# KiCad board main-board-rev1.kicad_pcb (continued)
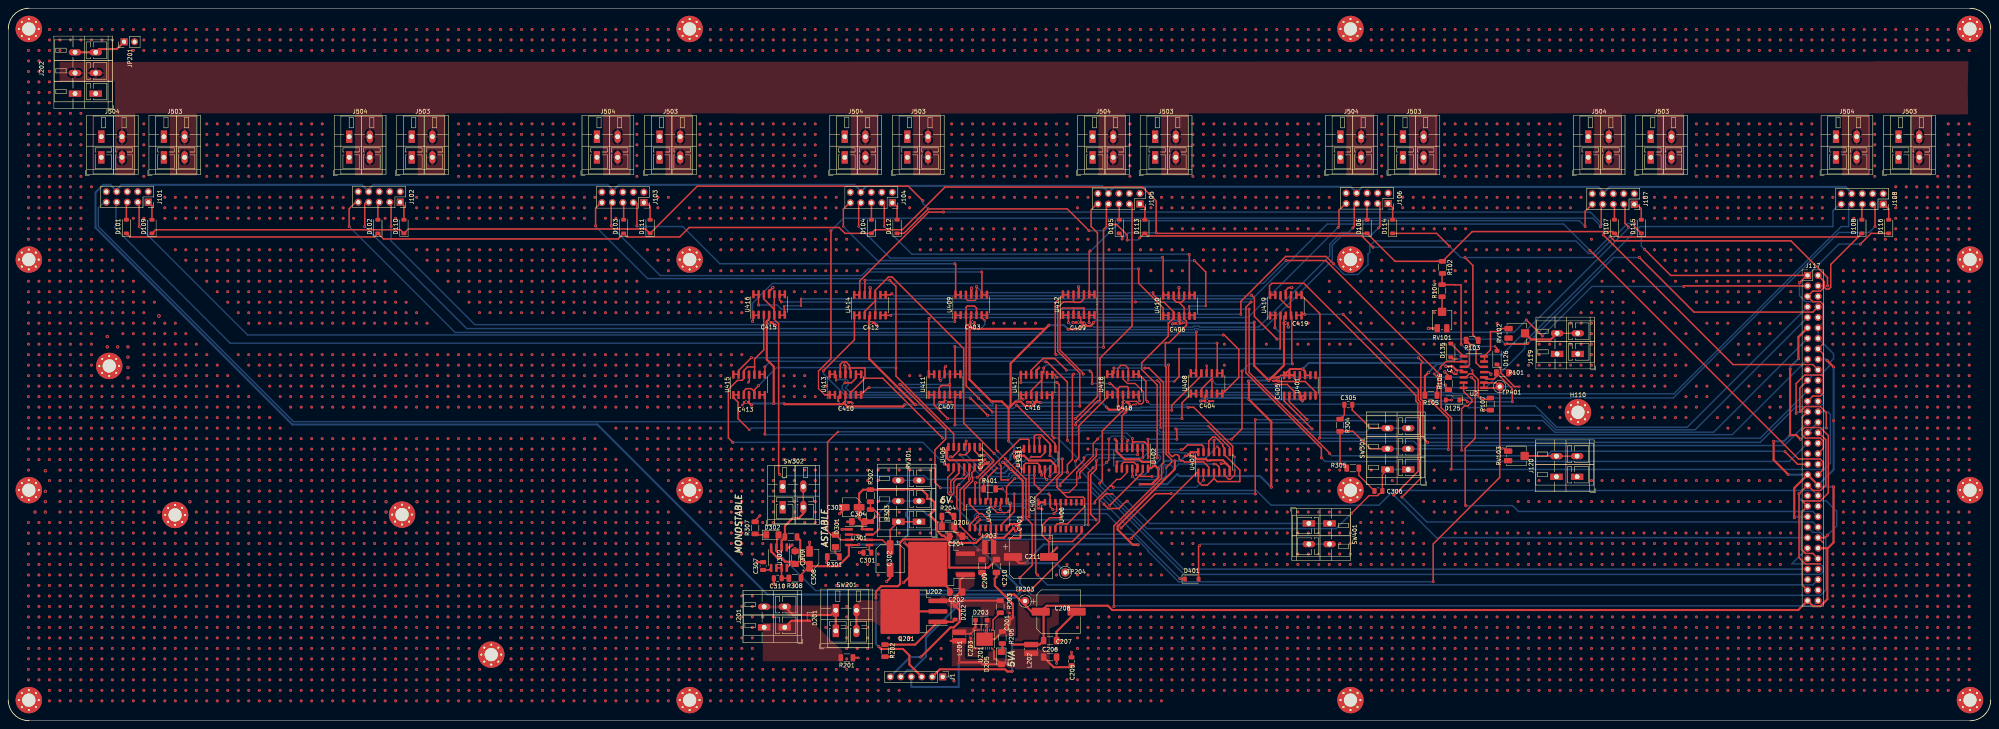
[diagram p0: board, top side]
## Routing (per net, layer and track width the routed paths; a pad name or vN(x,y) marks a point on that pad's centre or on a via; arc(x,y) is an arc through that point) (continued)
 v1(233.49,141.97) v1(233.49,139.43) v1(233.49,136.89) v1(233.49,134.35) v1(233.49,131.81) v1(233.49,126.73) v1(233.49,119.11) v1(233.49,116.57) v1(233.49,114.03) v1(233.49,9.89) v1(233.49,7.35) v1(233.49,4.81) v1(236.03,167.37) v1(236.03,164.83) v1(236.03,162.29) v1(236.03,144.51) v1(236.03,141.97) v1(236.03,139.43) v1(236.03,136.89) v1(236.03,134.35) v1(236.03,131.81) v1(236.03,126.73) v1(236.03,119.11) v1(236.03,116.57) v1(236.03,114.03) v1(236.03,32.75) v1(236.03,9.89) v1(236.03,7.35) v1(236.03,4.81) v1(238.57,167.37) v1(238.57,164.83) v1(238.57,162.29) v1(238.57,144.51) v1(238.57,141.97) v1(238.57,139.43) v1(238.57,136.89) v1(238.57,134.35) v1(238.57,131.81) v1(238.57,126.73) v1(238.57,119.11) v1(238.57,116.57) v1(238.57,114.03) v1(238.57,96.25) v1(238.57,9.89) v1(238.57,7.35) v1(238.57,4.81) v1(241.11,167.37) v1(241.11,164.83) v1(241.11,162.29) v1(241.11,144.51) v1(241.11,141.97) v1(241.11,139.43) v1(241.11,136.89) v1(241.11,134.35) v1(241.11,131.81) v1(241.11,126.73) v1(241.11,119.11) v1(241.11,116.57) v1(241.11,114.03) v1(241.11,96.25) v1(241.11,32.75) v1(241.11,9.89) v1(241.11,7.35) v1(241.11,4.81) v1(243.65,167.37) v1(243.65,164.83) v1(243.65,162.29) v1(243.65,144.51) v1(243.65,141.97) v1(243.65,139.43) v1(243.65,136.89) v1(243.65,134.35) v1(243.65,131.81) v1(243.65,126.73) v1(243.65,119.11) v1(243.65,116.57) v1(243.65,114.03) v1(243.65,96.25) v1(243.65,9.89) v1(243.65,7.35) v1(243.65,4.81) v1(246.19,167.37) v1(246.19,164.83) v1(246.19,162.29) v1(246.19,144.51) v1(246.19,141.97) v1(246.19,139.43) v1(246.19,136.89) v1(246.19,134.35) v1(246.19,131.81) v1(246.19,126.73) v1(246.19,119.11) v1(246.19,116.57) v1(246.19,114.03) v1(246.19,96.25) v1(246.19,9.89) v1(246.19,7.35) v1(246.19,4.81) v1(248.73,167.37) v1(248.73,164.83) v1(248.73,162.29) v1(248.73,144.51) v1(248.73,141.97) v1(248.73,139.43) v1(248.73,136.89) v1(248.73,134.35) v1(248.73,131.81) v1(248.73,126.73) v1(248.73,119.11) v1(248.73,116.57) v1(248.73,114.03) v1(248.73,96.25) v1(248.73,9.89) v1(248.73,7.35) v1(248.73,4.81) v1(251.27,167.37) v1(251.27,164.83) v1(251.27,162.29) v1(251.27,144.51) v1(251.27,141.97) v1(251.27,139.43) v1(251.27,136.89) v1(251.27,134.35) v1(251.27,131.81) v1(251.27,126.73) v1(251.27,119.11) v1(251.27,116.57) v1(251.27,114.03) v1(251.27,9.89) v1(251.27,7.35) v1(251.27,4.81) v1(253.81,167.37) v1(253.81,164.83) v1(253.81,162.29) v1(253.81,144.51) v1(253.81,141.97) v1(253.81,139.43) v1(253.81,136.89) v1(253.81,134.35) v1(253.81,131.81) v1(253.81,126.73) v1(253.81,119.11) v1(253.81,116.57) v1(253.81,114.03) v1(253.81,35.29) v1(253.81,17.51) v1(253.81,9.89) v1(253.81,7.35) v1(253.81,4.81) v1(256.35,167.37) v1(256.35,164.83) v1(256.35,162.29) v1(256.35,144.51) v1(256.35,141.97) v1(256.35,139.43) v1(256.35,136.89) v1(256.35,134.35) v1(256.35,131.81) v1(256.35,126.73) v1(256.35,119.11) v1(256.35,116.57) v1(256.35,114.03) v1(256.35,37.83) v1(256.35,9.89) v1(256.35,7.35) v1(256.35,4.81) v1(258.89,167.37) v1(258.89,164.83) v1(258.89,162.29) v1(258.89,126.73) v1(258.89,124.19) v1(258.89,119.11) v1(258.89,116.57) v1(258.89,114.03) v1(258.89,40.37) v1(258.89,37.83) v1(258.89,35.29) v1(258.89,22.59) v1(258.89,20.05) v1(258.89,17.51) v1(258.89,9.89) v1(258.89,7.35) v1(258.89,4.81) v1(261.43,167.37) v1(261.43,164.83) v1(261.43,162.29) v1(261.43,126.73) v1(261.43,116.57) v1(261.43,68.31) v1(261.43,65.77) v1(261.43,40.37) v1(261.43,37.83) v1(261.43,35.29) v1(261.43,22.59) v1(261.43,20.05) v1(261.43,17.51) v1(261.43,14.97) v1(261.43,12.43) v1(261.43,9.89) v1(261.43,7.35) v1(261.43,4.81) v1(263.97,167.37) v1(263.97,164.83) v1(263.97,162.29) v1(263.97,40.37) v1(263.97,37.83) v1(263.97,35.29) v1(263.97,25.13) v1(263.97,22.59) v1(263.97,20.05) v1(263.97,17.51) v1(263.97,14.97) v1(263.97,12.43) v1(263.97,9.89) v1(263.97,7.35) v1(263.97,4.81) v1(266.51,167.37) v1(266.51,164.83) v1(266.51,162.29) v1(266.51,114.03) v1(266.51,60.69) v1(266.51,40.37) v1(266.51,37.83) v1(266.51,35.29) v1(266.51,25.13) v1(266.51,22.59) v1(266.51,20.05) v1(266.51,17.51) v1(266.51,14.97) v1(266.51,12.43) v1(266.51,9.89) v1(266.51,7.35) v1(266.51,4.81) v1(269.05,167.37) v1(269.05,164.83) v1(269.05,162.29) v1(269.05,114.03) v1(269.05,40.37) v1(269.05,37.83) v1(269.05,35.29) v1(269.05,25.13) v1(269.05,22.59) v1(269.05,20.05) v1(269.05,17.51) v1(269.05,14.97) v1(269.05,12.43) v1(269.05,9.89) v1(269.05,7.35) v1(269.05,4.81) v1(271.59,167.37) v1(271.59,164.83) v1(271.59,162.29) v1(271.59,144.51) v1(271.59,141.97) v1(271.59,139.43) v1(271.59,136.89) v1(271.59,134.35) v1(271.59,131.81) v1(271.59,40.37) v1(271.59,37.83) v1(271.59,35.29) v1(271.59,25.13) v1(271.59,22.59) v1(271.59,20.05) v1(271.59,17.51) v1(271.59,14.97) v1(271.59,12.43) v1(271.59,9.89) v1(271.59,7.35) v1(271.59,4.81) v1(274.13,167.37) v1(274.13,164.83) v1(274.13,162.29) v1(274.13,114.03) v1(274.13,40.37) v1(274.13,37.83) v1(274.13,35.29) v1(274.13,25.13) v1(274.13,22.59) v1(274.13,20.05) v1(274.13,17.51) v1(274.13,14.97) v1(274.13,12.43) v1(274.13,9.89) v1(274.13,7.35) v1(274.13,4.81) v1(276.67,167.37) v1(276.67,164.83) v1(276.67,162.29) v1(276.67,124.19) v1(276.67,114.03) v1(276.67,108.95) v1(276.67,37.83) v1(276.67,35.29) v1(276.67,25.13) v1(276.67,22.59) v1(276.67,20.05) v1(276.67,17.51) v1(276.67,14.97) v1(276.67,12.43) v1(276.67,9.89) v1(276.67,7.35) v1(276.67,4.81) v1(279.21,167.37) v1(279.21,164.83) v1(279.21,162.29) v1(279.21,126.73) v1(279.21,124.19) v1(279.21,114.03) v1(279.21,45.45) v1(279.21,35.29) v1(279.21,25.13) v1(279.21,22.59) v1(279.21,20.05) v1(279.21,17.51) v1(279.21,14.97) v1(279.21,12.43) v1(279.21,9.89) v1(279.21,7.35) v1(279.21,4.81) v1(281.75,167.37) v1(281.75,164.83) v1(281.75,162.29) v1(281.75,126.73) v1(281.75,124.19) v1(281.75,119.11) v1(281.75,114.03) v1(281.75,108.95) v1(281.75,50.53) v1(281.75,45.45) v1(281.75,42.91) v1(281.75,25.13) v1(281.75,22.59) v1(281.75,20.05) v1(281.75,17.51) v1(281.75,14.97) v1(281.75,12.43) v1(281.75,9.89) v1(281.75,7.35) v1(284.29,167.37) v1(284.29,164.83) v1(284.29,162.29) v1(284.29,126.73) v1(284.29,124.19) v1(284.29,119.11) v1(284.29,114.03) v1(284.29,108.95) v1(284.29,53.07) v1(284.29,50.53) v1(284.29,45.45) v1(284.29,42.91) v1(284.29,40.37) v1(284.29,25.13) v1(284.29,22.59) v1(284.29,20.05) v1(284.29,17.51) v1(284.29,14.97) v1(284.29,12.43) v1(284.29,9.89) v1(284.29,7.35) v1(286.83,167.37) v1(286.83,164.83) v1(286.83,162.29) v1(286.83,144.51) v1(286.83,141.97) v1(286.83,139.43) v1(286.83,136.89) v1(286.83,134.35) v1(286.83,131.81) v1(286.83,126.73) v1(286.83,124.19) v1(286.83,119.11) v1(286.83,53.07) v1(286.83,50.53) v1(286.83,45.45) v1(286.83,42.91) v1(286.83,40.37) v1(286.83,37.83) v1(286.83,25.13) v1(286.83,22.59) v1(286.83,20.05) v1(286.83,17.51) v1(286.83,14.97) v1(286.83,12.43) v1(286.83,9.89) v1(286.83,7.35) v1(289.37,167.37) v1(289.37,164.83) v1(289.37,162.29) v1(289.37,144.51) v1(289.37,141.97) v1(289.37,139.43) v1(289.37,136.89) v1(289.37,134.35) v1(289.37,131.81) v1(289.37,126.73) v1(289.37,124.19) v1(289.37,119.11) v1(289.37,114.03) v1(289.37,111.49) v1(289.37,53.07) v1(289.37,50.53) v1(289.37,45.45) v1(289.37,40.37) v1(289.37,37.83) v1(289.37,25.13) v1(289.37,22.59) v1(289.37,20.05) v1(289.37,17.51) v1(289.37,14.97) v1(289.37,12.43) v1(289.37,9.89) v1(289.37,7.35) v1(291.91,167.37) v1(291.91,164.83) v1(291.91,162.29) v1(291.91,144.51) v1(291.91,141.97) v1(291.91,139.43) v1(291.91,136.89) v1(291.91,134.35) v1(291.91,131.81) v1(291.91,126.73) v1(291.91,124.19) v1(291.91,119.11) v1(291.91,114.03) v1(291.91,111.49) v1(291.91,108.95) v1(291.91,53.07) v1(291.91,50.53) v1(291.91,45.45) v1(291.91,40.37) v1(291.91,37.83) v1(291.91,25.13) v1(291.91,22.59) v1(291.91,20.05) v1(291.91,17.51) v1(291.91,14.97) v1(291.91,12.43) v1(291.91,9.89) v1(291.91,7.35) v1(294.45,167.37) v1(294.45,164.83) v1(294.45,162.29) v1(294.45,144.51) v1(294.45,141.97) v1(294.45,139.43) v1(294.45,136.89) v1(294.45,134.35) v1(294.45,131.81) v1(294.45,126.73) v1(294.45,124.19) v1(294.45,119.11) v1(294.45,114.03) v1(294.45,111.49) v1(294.45,108.95) v1(294.45,91.17) v1(294.45,86.09) v1(294.45,53.07) v1(294.45,50.53) v1(294.45,45.45) v1(294.45,40.37) v1(294.45,37.83) v1(294.45,25.13) v1(294.45,22.59) v1(294.45,20.05) v1(294.45,17.51) v1(294.45,14.97) v1(294.45,12.43) v1(294.45,9.89) v1(294.45,7.35) v1(296.99,167.37) v1(296.99,164.83) v1(296.99,162.29) v1(296.99,144.51) v1(296.99,141.97) v1(296.99,139.43) v1(296.99,136.89) v1(296.99,134.35) v1(296.99,131.81) v1(296.99,126.73) v1(296.99,124.19) v1(296.99,119.11) v1(296.99,114.03) v1(296.99,111.49) v1(296.99,108.95) v1(296.99,53.07) v1(296.99,50.53) v1(296.99,45.45) v1(296.99,40.37) v1(296.99,37.83) v1(296.99,25.13) v1(296.99,22.59) v1(296.99,20.05) v1(296.99,17.51) v1(296.99,14.97) v1(296.99,12.43) v1(296.99,9.89) v1(296.99,7.35) v1(299.53,167.37) v1(299.53,164.83) v1(299.53,162.29) v1(299.53,144.51) v1(299.53,141.97) v1(299.53,139.43) v1(299.53,136.89) v1(299.53,134.35) v1(299.53,131.81) v1(299.53,126.73) v1(299.53,124.19) v1(299.53,119.11) v1(299.53,114.03) v1(299.53,111.49) v1(299.53,108.95) v1(299.53,65.77) v1(299.53,63.23) v1(299.53,60.69) v1(299.53,53.07) v1(299.53,50.53) v1(299.53,45.45) v1(299.53,40.37) v1(299.53,37.83) v1(299.53,25.13) v1(299.53,22.59) v1(299.53,20.05) v1(299.53,17.51) v1(299.53,14.97) v1(299.53,12.43) v1(299.53,9.89) v1(299.53,7.35) v1(302.07,167.37) v1(302.07,164.83) v1(302.07,162.29) v1(302.07,144.51) v1(302.07,141.97) v1(302.07,139.43) v1(302.07,136.89) v1(302.07,134.35) v1(302.07,131.81) v1(302.07,126.73) v1(302.07,124.19) v1(302.07,119.11) v1(302.07,114.03) v1(302.07,111.49) v1(302.07,108.95) v1(302.07,53.07) v1(302.07,50.53) v1(302.07,45.45) v1(302.07,40.37) v1(302.07,37.83) v1(302.07,25.13) v1(302.07,22.59) v1(302.07,20.05) v1(302.07,17.51) v1(302.07,14.97) v1(302.07,12.43) v1(302.07,9.89) v1(302.07,7.35) v1(304.61,167.37) v1(304.61,164.83) v1(304.61,162.29) v1(304.61,144.51) v1(304.61,141.97) v1(304.61,139.43) v1(304.61,136.89) v1(304.61,134.35) v1(304.61,131.81) v1(304.61,126.73) v1(304.61,124.19) v1(304.61,119.11) v1(304.61,114.03) v1(304.61,111.49) v1(304.61,91.17) v1(304.61,65.77) v1(304.61,63.23) v1(304.61,60.69) v1(304.61,50.53) v1(304.61,45.45) v1(304.61,40.37) v1(304.61,37.83) v1(304.61,25.13) v1(304.61,22.59) v1(304.61,20.05) v1(304.61,17.51) v1(304.61,14.97) v1(304.61,12.43) v1(304.61,9.89) v1(304.61,7.35) v1(307.15,167.37) v1(307.15,164.83) v1(307.15,162.29) v1(307.15,144.51) v1(307.15,141.97) v1(307.15,139.43) v1(307.15,136.89) v1(307.15,134.35) v1(307.15,131.81) v1(307.15,126.73) v1(307.15,124.19) v1(307.15,119.11) v1(307.15,114.03) v1(307.15,65.77) v1(307.15,63.23) v1(307.15,60.69) v1(307.15,58.15) v1(307.15,50.53) v1(307.15,45.45) v1(307.15,40.37) v1(307.15,37.83) v1(307.15,25.13) v1(307.15,22.59) v1(307.15,20.05) v1(307.15,17.51) v1(307.15,14.97) v1(307.15,12.43) v1(307.15,9.89) v1(307.15,7.35) v1(309.69,167.37) v1(309.69,164.83) v1(309.69,162.29) v1(309.69,144.51) v1(309.69,141.97) v1(309.69,139.43) v1(309.69,136.89) v1(309.69,134.35) v1(309.69,131.81) v1(309.69,126.73) v1(309.69,124.19) v1(309.69,119.11) v1(309.69,114.03) v1(309.69,65.77) v1(309.69,63.23) v1(309.69,60.69) v1(309.69,58.15) v1(309.69,55.61) v1(309.69,50.53) v1(309.69,45.45) v1(309.69,40.37) v1(309.69,37.83) v1(309.69,25.13) v1(309.69,22.59) v1(309.69,20.05) v1(309.69,17.51) v1(309.69,14.97) v1(309.69,12.43) v1(309.69,9.89) v1(309.69,7.35) v1(312.23,167.37) v1(312.23,164.83) v1(312.23,162.29) v1(312.23,144.51) v1(312.23,141.97) v1(312.23,139.43) v1(312.23,136.89) v1(312.23,134.35) v1(312.23,131.81) v1(312.23,126.73) v1(312.23,124.19) v1(312.23,119.11) v1(312.23,96.25) v1(312.23,91.17) v1(312.23,65.77) v1(312.23,63.23) v1(312.23,60.69) v1(312.23,58.15) v1(312.23,55.61) v1(312.23,50.53) v1(312.23,45.45) v1(312.23,40.37) v1(312.23,37.83) v1(312.23,25.13) v1(312.23,22.59) v1(312.23,20.05) v1(312.23,17.51) v1(312.23,14.97) v1(312.23,12.43) v1(312.23,9.89) v1(312.23,7.35) v1(314.77,167.37) v1(314.77,164.83) v1(314.77,162.29) v1(314.77,144.51) v1(314.77,141.97) v1(314.77,139.43) v1(314.77,136.89) v1(314.77,134.35) v1(314.77,131.81) v1(314.77,126.73) v1(314.77,124.19) v1(314.77,119.11) v1(314.77,96.25) v1(314.77,91.17) v1(314.77,65.77) v1(314.77,63.23) v1(314.77,60.69) v1(314.77,58.15) v1(314.77,55.61) v1(314.77,50.53) v1(314.77,45.45) v1(314.77,40.37) v1(314.77,37.83) v1(314.77,25.13) v1(314.77,22.59) v1(314.77,20.05) v1(314.77,17.51) v1(314.77,14.97) v1(314.77,12.43) v1(314.77,9.89) v1(314.77,7.35) v1(317.31,167.37) v1(317.31,164.83) v1(317.31,162.29) v1(317.31,144.51) v1(317.31,141.97) v1(317.31,139.43) v1(317.31,136.89) v1(317.31,134.35) v1(317.31,131.81) v1(317.31,126.73) v1(317.31,124.19) v1(317.31,60.69) v1(317.31,58.15) v1(317.31,55.61) v1(317.31,50.53) v1(317.31,45.45) v1(317.31,40.37) v1(317.31,37.83) v1(317.31,25.13) v1(317.31,22.59) v1(317.31,20.05) v1(317.31,17.51) v1(317.31,14.97) v1(317.31,12.43) v1(317.31,9.89) v1(317.31,7.35) v1(319.85,167.37) v1(319.85,164.83) v1(319.85,162.29) v1(319.85,126.73) v1(319.85,124.19) v1(319.85,106.41) v1(319.85,103.87) v1(319.85,96.25) v1(319.85,91.17) v1(319.85,60.69) v1(319.85,58.15) v1(319.85,55.61) v1(319.85,50.53) v1(319.85,45.45) v1(319.85,40.37) v1(319.85,37.83) v1(319.85,25.13) v1(319.85,22.59) v1(319.85,20.05) v1(319.85,17.51) v1(319.85,14.97) v1(319.85,12.43) v1(319.85,9.89) v1(319.85,7.35) v1(322.39,162.29) v1(322.39,103.87) v1(322.39,101.33) v1(322.39,91.17) v1(322.39,60.69) v1(322.39,50.53) v1(322.39,45.45) v1(322.39,42.91) v1(322.39,40.37) v1(322.39,37.83) v1(322.39,25.13) v1(322.39,22.59) v1(322.39,20.05) v1(322.39,17.51) v1(322.39,14.97) v1(322.39,12.43) v1(322.39,9.89) v1(324.93,162.29) v1(324.93,101.33) v1(324.93,98.79) v1(324.93,91.17) v1(324.93,65.77) v1(324.93,45.45) v1(324.93,42.91) v1(324.93,40.37) v1(324.93,37.83) v1(324.93,25.13) v1(324.93,22.59) v1(324.93,20.05) v1(324.93,17.51) v1(324.93,14.97) v1(324.93,12.43) v1(324.93,9.89) v1(327.47,162.29) v1(327.47,119.11) v1(327.47,106.41) v1(327.47,98.79) v1(327.47,96.25) v1(327.47,65.77) v1(327.47,47.99) v1(327.47,45.45) v1(327.47,42.91) v1(327.47,40.37) v1(327.47,37.83) v1(327.47,25.13) v1(327.47,22.59) v1(327.47,20.05) v1(327.47,17.51) v1(327.47,14.97) v1(327.47,12.43) v1(327.47,9.89) v1(330.01,167.37) v1(330.01,164.83) v1(330.01,162.29) v1(330.01,108.95) v1(330.01,106.41) v1(330.01,103.87) v1(330.01,96.25) v1(330.01,60.69) v1(330.01,50.53) v1(330.01,47.99) v1(330.01,45.45) v1(330.01,42.91) v1(330.01,40.37) v1(330.01,37.83) v1(330.01,25.13) v1(330.01,22.59) v1(330.01,20.05) v1(330.01,17.51) v1(330.01,14.97) v1(330.01,12.43) v1(330.01,9.89) v1(330.01,7.35) v1(332.55,167.37) v1(332.55,164.83) v1(332.55,162.29) v1(332.55,144.51) v1(332.55,141.97) v1(332.55,139.43) v1(332.55,136.89) v1(332.55,134.35) v1(332.55,131.81) v1(332.55,111.49) v1(332.55,108.95) v1(332.55,106.41) v1(332.55,103.87) v1(332.55,101.33) v1(332.55,91.17) v1(332.55,50.53) v1(332.55,47.99) v1(332.55,45.45) v1(332.55,42.91) v1(332.55,40.37) v1(332.55,37.83) v1(332.55,25.13) v1(332.55,22.59) v1(332.55,20.05) v1(332.55,17.51) v1(332.55,14.97) v1(332.55,12.43) v1(332.55,9.89) v1(332.55,7.35) v1(335.09,167.37) v1(335.09,164.83) v1(335.09,162.29) v1(335.09,108.95) v1(335.09,106.41) v1(335.09,103.87) v1(335.09,101.33) v1(335.09,98.79) v1(335.09,91.17) v1(335.09,58.15) v1(335.09,50.53) v1(335.09,47.99) v1(335.09,45.45) v1(335.09,42.91) v1(335.09,40.37) v1(335.09,37.83) v1(335.09,25.13) v1(335.09,22.59) v1(335.09,20.05) v1(335.09,17.51) v1(335.09,14.97) v1(335.09,12.43) v1(335.09,9.89) v1(335.09,7.35) v1(337.63,167.37) v1(337.63,164.83) v1(337.63,162.29) v1(337.63,126.73) v1(337.63,124.19) v1(337.63,119.11) v1(337.63,108.95) v1(337.63,106.41) v1(337.63,103.87) v1(337.63,101.33) v1(337.63,98.79) v1(337.63,96.25) v1(337.63,47.99) v1(337.63,45.45) v1(337.63,42.91) v1(337.63,40.37) v1(337.63,37.83) v1(337.63,25.13) v1(337.63,22.59) v1(337.63,20.05) v1(337.63,17.51) v1(337.63,14.97) v1(337.63,12.43) v1(337.63,9.89) v1(337.63,7.35) v1(340.17,167.37) v1(340.17,164.83) v1(340.17,162.29) v1(340.17,126.73) v1(340.17,124.19) v1(340.17,119.11) v1(340.17,108.95) v1(340.17,106.41) v1(340.17,103.87) v1(340.17,101.33) v1(340.17,98.79) v1(340.17,96.25) v1(340.17,45.45) v1(340.17,42.91) v1(340.17,40.37) v1(340.17,37.83) v1(340.17,25.13) v1(340.17,22.59) v1(340.17,20.05) v1(340.17,17.51) v1(340.17,14.97) v1(340.17,12.43) v1(340.17,9.89) v1(340.17,7.35) v1(342.71,167.37) v1(342.71,164.83) v1(342.71,162.29) v1(342.71,126.73) v1(342.71,124.19) v1(342.71,119.11) v1(342.71,108.95) v1(342.71,106.41) v1(342.71,103.87) v1(342.71,101.33) v1(342.71,98.79) v1(342.71,91.17) v1(342.71,53.07) v1(342.71,42.91) v1(342.71,40.37) v1(342.71,37.83) v1(342.71,25.13) v1(342.71,22.59) v1(342.71,20.05) v1(342.71,17.51) v1(342.71,14.97) v1(342.71,12.43) v1(342.71,9.89) v1(342.71,7.35) v1(345.25,167.37) v1(345.25,164.83) v1(345.25,162.29) v1(345.25,126.73) v1(345.25,124.19) v1(345.25,119.11) v1(345.25,108.95) v1(345.25,106.41) v1(345.25,103.87) v1(345.25,101.33) v1(345.25,98.79) v1(345.25,91.17) v1(345.25,70.85) v1(345.25,60.69) v1(345.25,58.15) v1(345.25,53.07) v1(345.25,50.53) v1(345.25,25.13) v1(345.25,22.59) v1(345.25,20.05) v1(345.25,17.51) v1(345.25,14.97) v1(345.25,12.43) v1(345.25,9.89) v1(345.25,7.35) v1(347.79,167.37) v1(347.79,164.83) v1(347.79,162.29) v1(347.79,144.51) v1(347.79,141.97) v1(347.79,139.43) v1(347.79,136.89) v1(347.79,134.35) v1(347.79,131.81) v1(347.79,126.73) v1(347.79,124.19) v1(347.79,119.11) v1(347.79,91.17) v1(347.79,58.15) v1(347.79,53.07) v1(347.79,50.53) v1(347.79,42.91) v1(347.79,40.37) v1(347.79,37.83) v1(347.79,25.13) v1(347.79,22.59) v1(347.79,20.05) v1(347.79,17.51) v1(347.79,14.97) v1(347.79,12.43) v1(347.79,9.89) v1(347.79,7.35) v1(350.33,167.37) v1(350.33,164.83) v1(350.33,162.29) v1(350.33,144.51) v1(350.33,141.97) v1(350.33,139.43) v1(350.33,136.89) v1(350.33,134.35) v1(350.33,131.81) v1(350.33,126.73) v1(350.33,124.19) v1(350.33,119.11) v1(350.33,108.95) v1(350.33,103.87) v1(350.33,101.33) v1(350.33,98.79) v1(350.33,96.25) v1(350.33,58.15) v1(350.33,53.07) v1(350.33,50.53) v1(350.33,45.45) v1(350.33,42.91) v1(350.33,40.37) v1(350.33,37.83) v1(350.33,25.13) v1(350.33,22.59) v1(350.33,20.05) v1(350.33,17.51) v1(350.33,14.97) v1(350.33,12.43) v1(350.33,9.89) v1(350.33,7.35) v1(352.87,167.37) v1(352.87,164.83) v1(352.87,162.29) v1(352.87,144.51) v1(352.87,141.97) v1(352.87,139.43) v1(352.87,136.89) v1(352.87,134.35) v1(352.87,131.81) v1(352.87,126.73) v1(352.87,124.19) v1(352.87,119.11) v1(352.87,114.03) v1(352.87,108.95) v1(352.87,106.41) v1(352.87,103.87) v1(352.87,101.33) v1(352.87,98.79) v1(352.87,96.25) v1(352.87,45.45) v1(352.87,42.91) v1(352.87,40.37) v1(352.87,37.83) v1(352.87,25.13) v1(352.87,22.59) v1(352.87,20.05) v1(352.87,17.51) v1(352.87,14.97) v1(352.87,12.43) v1(352.87,9.89) v1(352.87,7.35) v1(355.41,167.37) v1(355.41,164.83) v1(355.41,162.29) v1(355.41,144.51) v1(355.41,141.97) v1(355.41,139.43) v1(355.41,136.89) v1(355.41,134.35) v1(355.41,131.81) v1(355.41,126.73) v1(355.41,124.19) v1(355.41,114.03) v1(355.41,58.15) v1(355.41,50.53) v1(355.41,45.45) v1(355.41,42.91) v1(355.41,40.37) v1(355.41,37.83) v1(355.41,25.13) v1(355.41,22.59) v1(355.41,20.05) v1(355.41,17.51) v1(355.41,14.97) v1(355.41,12.43) v1(355.41,9.89) v1(355.41,7.35) v1(357.95,167.37) v1(357.95,164.83) v1(357.95,162.29) v1(357.95,144.51) v1(357.95,141.97) v1(357.95,139.43) v1(357.95,136.89) v1(357.95,134.35) v1(357.95,131.81) v1(357.95,126.73) v1(357.95,124.19) v1(357.95,114.03) v1(357.95,108.95) v1(357.95,106.41) v1(357.95,103.87) v1(357.95,101.33) v1(357.95,98.79) v1(357.95,96.25) v1(357.95,70.85) v1(357.95,58.15) v1(357.95,50.53) v1(357.95,45.45) v1(357.95,42.91) v1(357.95,40.37) v1(357.95,37.83) v1(357.95,25.13) v1(357.95,22.59) v1(357.95,20.05) v1(357.95,17.51) v1(357.95,14.97) v1(357.95,12.43) v1(357.95,9.89) v1(357.95,7.35) v1(360.49,167.37) v1(360.49,164.83) v1(360.49,162.29) v1(360.49,144.51) v1(360.49,141.97) v1(360.49,139.43) v1(360.49,136.89) v1(360.49,134.35) v1(360.49,131.81) v1(360.49,126.73) v1(360.49,124.19) v1(360.49,114.03) v1(360.49,108.95) v1(360.49,106.41) v1(360.49,103.87) v1(360.49,101.33) v1(360.49,98.79) v1(360.49,96.25) v1(360.49,50.53) v1(360.49,45.45) v1(360.49,42.91) v1(360.49,40.37) v1(360.49,37.83) v1(360.49,25.13) v1(360.49,22.59) v1(360.49,20.05) v1(360.49,17.51) v1(360.49,14.97) v1(360.49,12.43) v1(360.49,9.89) v1(360.49,7.35) v1(363.03,167.37) v1(363.03,164.83) v1(363.03,162.29) v1(363.03,144.51) v1(363.03,141.97) v1(363.03,139.43) v1(363.03,136.89) v1(363.03,134.35) v1(363.03,131.81) v1(363.03,126.73) v1(363.03,124.19) v1(363.03,114.03) v1(363.03,108.95) v1(363.03,106.41) v1(363.03,103.87) v1(363.03,101.33) v1(363.03,98.79) v1(363.03,70.85) v1(363.03,58.15) v1(363.03,50.53) v1(363.03,45.45) v1(363.03,42.91) v1(363.03,40.37) v1(363.03,37.83) v1(363.03,25.13) v1(363.03,22.59) v1(363.03,20.05) v1(363.03,17.51) v1(363.03,14.97) v1(363.03,12.43) v1(363.03,9.89) v1(363.03,7.35) v1(365.57,167.37) v1(365.57,164.83) v1(365.57,162.29) v1(365.57,144.51) v1(365.57,141.97) v1(365.57,139.43) v1(365.57,136.89) v1(365.57,134.35) v1(365.57,131.81) v1(365.57,126.73) v1(365.57,124.19) v1(365.57,114.03) v1(365.57,108.95) v1(365.57,106.41) v1(365.57,103.87) v1(365.57,101.33) v1(365.57,98.79) v1(365.57,86.09) v1(365.57,70.85) v1(365.57,58.15) v1(365.57,53.07) v1(365.57,45.45) v1(365.57,42.91) v1(365.57,40.37) v1(365.57,37.83) v1(365.57,25.13) v1(365.57,22.59) v1(365.57,20.05) v1(365.57,17.51) v1(365.57,14.97) v1(365.57,12.43) v1(365.57,9.89) v1(365.57,7.35) v1(368.11,167.37) v1(368.11,164.83) v1(368.11,162.29) v1(368.11,144.51) v1(368.11,141.97) v1(368.11,139.43) v1(368.11,136.89) v1(368.11,134.35) v1(368.11,131.81) v1(368.11,126.73) v1(368.11,124.19) v1(368.11,114.03) v1(368.11,108.95) v1(368.11,106.41) v1(368.11,103.87) v1(368.11,101.33) v1(368.11,98.79) v1(368.11,88.63) v1(368.11,86.09) v1(368.11,83.55) v1(368.11,81.01) v1(368.11,70.85) v1(368.11,58.15) v1(368.11,53.07) v1(368.11,45.45) v1(368.11,42.91) v1(368.11,40.37) v1(368.11,37.83) v1(368.11,25.13) v1(368.11,22.59) v1(368.11,20.05) v1(368.11,17.51) v1(368.11,14.97) v1(368.11,12.43) v1(368.11,9.89) v1(368.11,7.35) v1(370.65,167.37) v1(370.65,164.83) v1(370.65,162.29) v1(370.65,144.51) v1(370.65,141.97) v1(370.65,139.43) v1(370.65,136.89) v1(370.65,134.35) v1(370.65,131.81) v1(370.65,126.73) v1(370.65,124.19) v1(370.65,114.03) v1(370.65,108.95) v1(370.65,106.41) v1(370.65,103.87) v1(370.65,101.33) v1(370.65,91.17) v1(370.65,88.63) v1(370.65,86.09) v1(370.65,83.55) v1(370.65,81.01) v1(370.65,70.85) v1(370.65,58.15) v1(370.65,53.07) v1(370.65,45.45) v1(370.65,42.91) v1(370.65,40.37) v1(370.65,37.83) v1(370.65,25.13) v1(370.65,22.59) v1(370.65,20.05) v1(370.65,17.51) v1(370.65,14.97) v1(370.65,12.43) v1(370.65,9.89) v1(370.65,7.35) v1(373.19,167.37) v1(373.19,164.83) v1(373.19,162.29) v1(373.19,144.51) v1(373.19,141.97) v1(373.19,139.43) v1(373.19,136.89) v1(373.19,134.35) v1(373.19,131.81) v1(373.19,126.73) v1(373.19,124.19) v1(373.19,114.03) v1(373.19,108.95) v1(373.19,106.41) v1(373.19,103.87) v1(373.19,91.17) v1(373.19,86.09) v1(373.19,83.55) v1(373.19,81.01) v1(373.19,75.93) v1(373.19,53.07) v1(373.19,45.45) v1(373.19,42.91) v1(373.19,40.37) v1(373.19,37.83) v1(373.19,25.13) v1(373.19,22.59) v1(373.19,20.05) v1(373.19,17.51) v1(373.19,14.97) v1(373.19,12.43) v1(373.19,9.89) v1(373.19,7.35) v1(375.73,167.37) v1(375.73,164.83) v1(375.73,162.29) v1(375.73,144.51) v1(375.73,141.97) v1(375.73,139.43) v1(375.73,136.89) v1(375.73,134.35) v1(375.73,131.81) v1(375.73,126.73) v1(375.73,124.19) v1(375.73,114.03) v1(375.73,108.95) v1(375.73,106.41) v1(375.73,91.17) v1(375.73,86.09) v1(375.73,83.55) v1(375.73,81.01) v1(375.73,75.93) v1(375.73,73.39) v1(375.73,53.07) v1(375.73,45.45) v1(375.73,42.91) v1(375.73,40.37) v1(375.73,37.83) v1(375.73,25.13) v1(375.73,22.59) v1(375.73,20.05) v1(375.73,17.51) v1(375.73,14.97) v1(375.73,12.43) v1(375.73,9.89) v1(375.73,7.35) v1(378.27,167.37) v1(378.27,164.83) v1(378.27,162.29) v1(378.27,126.73) v1(378.27,124.19) v1(378.27,114.03) v1(378.27,108.95) v1(378.27,96.25) v1(378.27,91.17) v1(378.27,86.09) v1(378.27,83.55) v1(378.27,81.01) v1(378.27,53.07) v1(378.27,45.45) v1(378.27,42.91) v1(378.27,40.37) v1(378.27,37.83) v1(378.27,25.13) v1(378.27,22.59) v1(378.27,20.05) v1(378.27,17.51) v1(378.27,14.97) v1(378.27,12.43) v1(378.27,9.89) v1(378.27,7.35) v1(380.81,167.37) v1(380.81,164.83) v1(380.81,162.29) v1(380.81,126.73) v1(380.81,98.79) v1(380.81,96.25) v1(380.81,91.17) v1(380.81,86.09) v1(380.81,83.55) v1(380.81,81.01) v1(380.81,53.07) v1(380.81,45.45) v1(380.81,42.91) v1(380.81,40.37) v1(380.81,37.83) v1(380.81,25.13) v1(380.81,22.59) v1(380.81,20.05) v1(380.81,17.51) v1(380.81,14.97) v1(380.81,12.43) v1(380.81,9.89) v1(380.81,7.35) v1(383.35,167.37) v1(383.35,164.83) v1(383.35,162.29) v1(383.35,116.57) v1(383.35,101.33) v1(383.35,98.79) v1(383.35,96.25) v1(383.35,93.71) v1(383.35,91.17) v1(383.35,88.63) v1(383.35,86.09) v1(383.35,83.55) v1(383.35,81.01) v1(383.35,58.15) v1(383.35,53.07) v1(383.35,45.45) v1(383.35,42.91) v1(383.35,40.37) v1(383.35,37.83) v1(383.35,25.13) v1(383.35,22.59) v1(383.35,20.05) v1(383.35,17.51) v1(383.35,14.97) v1(383.35,12.43) v1(383.35,9.89) v1(383.35,7.35) v1(385.89,167.37) v1(385.89,164.83) v1(385.89,162.29) v1(385.89,106.41) v1(385.89,103.87) v1(385.89,101.33) v1(385.89,98.79) v1(385.89,96.25) v1(385.89,93.71) v1(385.89,91.17) v1(385.89,88.63) v1(385.89,86.09) v1(385.89,83.55) v1(385.89,81.01) v1(385.89,75.93) v1(385.89,73.39) v1(385.89,58.15) v1(385.89,53.07) v1(385.89,45.45) v1(385.89,42.91) v1(385.89,40.37) v1(385.89,37.83) v1(385.89,25.13) v1(385.89,22.59) v1(385.89,20.05) v1(385.89,17.51) v1(385.89,14.97) v1(385.89,12.43) v1(385.89,9.89) v1(385.89,7.35) v1(388.43,167.37) v1(388.43,164.83) v1(388.43,162.29) v1(388.43,103.87) v1(388.43,101.33) v1(388.43,98.79) v1(388.43,96.25) v1(388.43,93.71) v1(388.43,91.17) v1(388.43,88.63) v1(388.43,86.09) v1(388.43,83.55) v1(388.43,81.01) v1(388.43,75.93) v1(388.43,73.39) v1(388.43,58.15) v1(388.43,53.07) v1(388.43,45.45) v1(388.43,42.91) v1(388.43,40.37) v1(388.43,37.83) v1(388.43,25.13) v1(388.43,22.59) v1(388.43,20.05) v1(388.43,17.51) v1(388.43,14.97) v1(388.43,12.43) v1(388.43,9.89) v1(388.43,7.35) v1(390.97,167.37) v1(390.97,164.83) v1(390.97,162.29) v1(390.97,108.95) v1(390.97,101.33) v1(390.97,98.79) v1(390.97,96.25) v1(390.97,93.71) v1(390.97,91.17) v1(390.97,88.63) v1(390.97,86.09) v1(390.97,83.55) v1(390.97,81.01) v1(390.97,75.93) v1(390.97,73.39) v1(390.97,58.15) v1(390.97,53.07) v1(390.97,45.45) v1(390.97,42.91) v1(390.97,40.37) v1(390.97,37.83) v1(390.97,25.13) v1(390.97,22.59) v1(390.97,20.05) v1(390.97,17.51) v1(390.97,14.97) v1(390.97,12.43) v1(390.97,9.89) v1(390.97,7.35) v1(393.51,167.37) v1(393.51,164.83) v1(393.51,162.29) v1(393.51,114.03) v1(393.51,106.41) v1(393.51,98.79) v1(393.51,96.25) v1(393.51,93.71) v1(393.51,91.17) v1(393.51,88.63) v1(393.51,86.09) v1(393.51,83.55) v1(393.51,81.01) v1(393.51,75.93) v1(393.51,73.39) v1(393.51,58.15) v1(393.51,53.07) v1(393.51,45.45) v1(393.51,42.91) v1(393.51,40.37) v1(393.51,37.83) v1(393.51,25.13) v1(393.51,22.59) v1(393.51,20.05) v1(393.51,17.51) v1(393.51,14.97) v1(393.51,12.43) v1(393.51,9.89) v1(393.51,7.35) v1(396.05,167.37) v1(396.05,164.83) v1(396.05,162.29) v1(396.05,126.73) v1(396.05,103.87) v1(396.05,96.25) v1(396.05,93.71) v1(396.05,91.17) v1(396.05,88.63) v1(396.05,86.09) v1(396.05,83.55) v1(396.05,81.01) v1(396.05,75.93) v1(396.05,73.39) v1(396.05,58.15) v1(396.05,53.07) v1(396.05,45.45) v1(396.05,42.91) v1(396.05,40.37) v1(396.05,37.83) v1(396.05,25.13) v1(396.05,22.59) v1(396.05,20.05) v1(396.05,17.51) v1(396.05,14.97) v1(396.05,12.43) v1(396.05,9.89) v1(396.05,7.35) v1(398.59,167.37) v1(398.59,164.83) v1(398.59,162.29) v1(398.59,126.73) v1(398.59,124.19) v1(398.59,121.65) v1(398.59,114.03) v1(398.59,101.33) v1(398.59,93.71) v1(398.59,91.17) v1(398.59,88.63) v1(398.59,86.09) v1(398.59,83.55) v1(398.59,81.01) v1(398.59,75.93) v1(398.59,73.39) v1(398.59,58.15) v1(398.59,53.07) v1(398.59,45.45) v1(398.59,42.91) v1(398.59,40.37) v1(398.59,37.83) v1(398.59,25.13) v1(398.59,22.59) v1(398.59,20.05) v1(398.59,17.51) v1(398.59,14.97) v1(398.59,12.43) v1(398.59,9.89) v1(398.59,7.35) v1(401.13,167.37) v1(401.13,164.83) v1(401.13,162.29) v1(401.13,126.73) v1(401.13,124.19) v1(401.13,121.65) v1(401.13,114.03) v1(401.13,111.49) v1(401.13,98.79) v1(401.13,91.17) v1(401.13,88.63) v1(401.13,86.09) v1(401.13,83.55) v1(401.13,81.01) v1(401.13,75.93) v1(401.13,73.39) v1(401.13,58.15) v1(401.13,53.07) v1(401.13,45.45) v1(401.13,42.91) v1(401.13,40.37) v1(401.13,37.83) v1(401.13,25.13) v1(401.13,22.59) v1(401.13,20.05) v1(401.13,17.51) v1(401.13,14.97) v1(401.13,12.43) v1(401.13,9.89) v1(401.13,7.35) v1(403.67,167.37) v1(403.67,164.83) v1(403.67,162.29) v1(403.67,126.73) v1(403.67,124.19) v1(403.67,121.65) v1(403.67,114.03) v1(403.67,111.49) v1(403.67,108.95) v1(403.67,106.41) v1(403.67,96.25) v1(403.67,88.63) v1(403.67,86.09) v1(403.67,83.55) v1(403.67,75.93) v1(403.67,73.39) v1(403.67,58.15) v1(403.67,53.07) v1(403.67,45.45) v1(403.67,42.91) v1(403.67,40.37) v1(403.67,37.83) v1(403.67,25.13) v1(403.67,22.59) v1(403.67,20.05) v1(403.67,17.51) v1(403.67,14.97) v1(403.67,12.43) v1(403.67,9.89) v1(403.67,7.35) v1(406.21,167.37) v1(406.21,164.83) v1(406.21,162.29) v1(406.21,126.73) v1(406.21,124.19) v1(406.21,121.65) v1(406.21,114.03) v1(406.21,111.49) v1(406.21,108.95) v1(406.21,93.71) v1(406.21,86.09) v1(406.21,78.47) v1(406.21,75.93) v1(406.21,73.39) v1(406.21,58.15) v1(406.21,53.07) v1(406.21,45.45) v1(406.21,42.91) v1(406.21,40.37) v1(406.21,37.83) v1(406.21,25.13) v1(406.21,22.59) v1(406.21,20.05) v1(406.21,17.51) v1(406.21,14.97) v1(406.21,12.43) v1(406.21,9.89) v1(406.21,7.35) v1(408.75,167.37) v1(408.75,164.83) v1(408.75,162.29) v1(408.75,144.51) v1(408.75,141.97) v1(408.75,139.43) v1(408.75,136.89) v1(408.75,134.35) v1(408.75,131.81) v1(408.75,126.73) v1(408.75,124.19) v1(408.75,121.65) v1(408.75,114.03) v1(408.75,111.49) v1(408.75,108.95) v1(408.75,106.41) v1(408.75,103.87) v1(408.75,101.33) v1(408.75,91.17) v1(408.75,81.01) v1(408.75,78.47) v1(408.75,75.93) v1(408.75,58.15) v1(408.75,53.07) v1(408.75,45.45) v1(408.75,42.91) v1(408.75,40.37) v1(408.75,37.83) v1(408.75,25.13) v1(408.75,22.59) v1(408.75,20.05) v1(408.75,17.51) v1(408.75,14.97) v1(408.75,12.43) v1(408.75,9.89) v1(408.75,7.35) v1(411.29,167.37) v1(411.29,164.83) v1(411.29,162.29) v1(411.29,144.51) v1(411.29,141.97) v1(411.29,139.43) v1(411.29,136.89) v1(411.29,134.35) v1(411.29,131.81) v1(411.29,126.73) v1(411.29,124.19) v1(411.29,121.65) v1(411.29,114.03) v1(411.29,111.49) v1(411.29,108.95) v1(411.29,106.41) v1(411.29,103.87) v1(411.29,101.33) v1(411.29,96.25) v1(411.29,81.01) v1(411.29,78.47) v1(411.29,58.15) v1(411.29,53.07) v1(411.29,45.45) v1(411.29,42.91) v1(411.29,40.37) v1(411.29,37.83) v1(411.29,25.13) v1(411.29,22.59) v1(411.29,20.05) v1(411.29,17.51) v1(411.29,14.97) v1(411.29,12.43) v1(411.29,9.89) v1(411.29,7.35) v1(413.83,167.37) v1(413.83,164.83) v1(413.83,162.29) v1(413.83,144.51) v1(413.83,141.97) v1(413.83,139.43) v1(413.83,136.89) v1(413.83,134.35) v1(413.83,131.81) v1(413.83,126.73) v1(413.83,124.19) v1(413.83,121.65) v1(413.83,114.03) v1(413.83,111.49) v1(413.83,108.95) v1(413.83,106.41) v1(413.83,103.87) v1(413.83,101.33) v1(413.83,96.25) v1(413.83,93.71) v1(413.83,86.09) v1(413.83,73.39) v1(413.83,58.15) v1(413.83,53.07) v1(413.83,45.45) v1(413.83,42.91) v1(413.83,40.37) v1(413.83,37.83) v1(413.83,25.13) v1(413.83,22.59) v1(413.83,20.05) v1(413.83,17.51) v1(413.83,14.97) v1(413.83,12.43) v1(413.83,9.89) v1(413.83,7.35) v1(416.37,167.37) v1(416.37,164.83) v1(416.37,162.29) v1(416.37,144.51) v1(416.37,141.97) v1(416.37,139.43) v1(416.37,136.89) v1(416.37,134.35) v1(416.37,131.81) v1(416.37,126.73) v1(416.37,124.19) v1(416.37,121.65) v1(416.37,114.03) v1(416.37,111.49) v1(416.37,108.95) v1(416.37,106.41) v1(416.37,103.87) v1(416.37,101.33) v1(416.37,96.25) v1(416.37,83.55) v1(416.37,75.93) v1(416.37,70.85) v1(416.37,58.15) v1(416.37,53.07) v1(416.37,45.45) v1(416.37,42.91) v1(416.37,40.37) v1(416.37,37.83) v1(416.37,25.13) v1(416.37,22.59) v1(416.37,20.05) v1(416.37,17.51) v1(416.37,14.97) v1(416.37,12.43) v1(416.37,9.89) v1(416.37,7.35) v1(418.91,167.37) v1(418.91,164.83) v1(418.91,162.29) v1(418.91,144.51) v1(418.91,141.97) v1(418.91,139.43) v1(418.91,136.89) v1(418.91,134.35) v1(418.91,131.81) v1(418.91,126.73) v1(418.91,124.19) v1(418.91,121.65) v1(418.91,114.03) v1(418.91,111.49) v1(418.91,108.95) v1(418.91,106.41) v1(418.91,103.87) v1(418.91,101.33) v1(418.91,91.17) v1(418.91,88.63) v1(418.91,73.39) v1(418.91,58.15) v1(418.91,53.07) v1(418.91,45.45) v1(418.91,42.91) v1(418.91,40.37) v1(418.91,37.83) v1(418.91,25.13) v1(418.91,22.59) v1(418.91,20.05) v1(418.91,17.51) v1(418.91,14.97) v1(418.91,12.43) v1(418.91,9.89) v1(418.91,7.35) v1(421.45,167.37) v1(421.45,164.83) v1(421.45,162.29) v1(421.45,144.51) v1(421.45,141.97) v1(421.45,139.43) v1(421.45,136.89) v1(421.45,134.35) v1(421.45,131.81) v1(421.45,126.73) v1(421.45,124.19) v1(421.45,121.65) v1(421.45,114.03) v1(421.45,111.49) v1(421.45,108.95) v1(421.45,106.41) v1(421.45,103.87) v1(421.45,101.33) v1(421.45,93.71) v1(421.45,91.17) v1(421.45,88.63) v1(421.45,81.01) v1(421.45,70.85) v1(421.45,58.15) v1(421.45,53.07) v1(421.45,45.45) v1(421.45,42.91) v1(421.45,40.37) v1(421.45,37.83) v1(421.45,25.13) v1(421.45,22.59) v1(421.45,20.05) v1(421.45,17.51) v1(421.45,14.97) v1(421.45,12.43) v1(421.45,9.89) v1(421.45,7.35) v1(423.99,167.37) v1(423.99,164.83) v1(423.99,162.29) v1(423.99,144.51) v1(423.99,141.97) v1(423.99,139.43) v1(423.99,136.89) v1(423.99,134.35) v1(423.99,131.81) v1(423.99,126.73) v1(423.99,124.19) v1(423.99,121.65) v1(423.99,114.03) v1(423.99,111.49) v1(423.99,108.95) v1(423.99,106.41) v1(423.99,103.87) v1(423.99,96.25) v1(423.99,93.71) v1(423.99,91.17) v1(423.99,83.55) v1(423.99,78.47) v1(423.99,58.15) v1(423.99,53.07) v1(423.99,45.45) v1(423.99,42.91) v1(423.99,40.37) v1(423.99,37.83) v1(423.99,25.13) v1(423.99,22.59) v1(423.99,20.05) v1(423.99,17.51) v1(423.99,14.97) v1(423.99,12.43) v1(423.99,9.89) v1(423.99,7.35) v1(426.53,167.37) v1(426.53,164.83) v1(426.53,162.29) v1(426.53,144.51) v1(426.53,141.97) v1(426.53,139.43) v1(426.53,136.89) v1(426.53,134.35) v1(426.53,131.81) v1(426.53,126.73) v1(426.53,124.19) v1(426.53,121.65) v1(426.53,114.03) v1(426.53,111.49) v1(426.53,108.95) v1(426.53,106.41) v1(426.53,96.25) v1(426.53,93.71) v1(426.53,81.01) v1(426.53,75.93) v1(426.53,73.39) v1(426.53,58.15) v1(426.53,53.07) v1(426.53,45.45) v1(426.53,42.91) v1(426.53,40.37) v1(426.53,37.83) v1(426.53,25.13) v1(426.53,22.59) v1(426.53,20.05) v1(426.53,17.51) v1(426.53,14.97) v1(426.53,12.43) v1(426.53,9.89) v1(426.53,7.35) v1(429.07,167.37) v1(429.07,164.83) v1(429.07,162.29) v1(429.07,144.51) v1(429.07,141.97) v1(429.07,139.43) v1(429.07,136.89) v1(429.07,134.35) v1(429.07,131.81) v1(429.07,126.73) v1(429.07,124.19) v1(429.07,121.65) v1(429.07,114.03) v1(429.07,111.49) v1(429.07,108.95) v1(429.07,101.33) v1(429.07,96.25) v1(429.07,88.63) v1(429.07,83.55) v1(429.07,78.47) v1(429.07,75.93) v1(429.07,58.15) v1(429.07,53.07) v1(429.07,45.45) v1(429.07,42.91) v1(429.07,40.37) v1(429.07,37.83) v1(429.07,25.13) v1(429.07,22.59) v1(429.07,20.05) v1(429.07,17.51) v1(429.07,14.97) v1(429.07,12.43) v1(429.07,9.89) v1(429.07,7.35) v1(431.61,167.37) v1(431.61,164.83) v1(431.61,162.29) v1(431.61,144.51) v1(431.61,141.97) v1(431.61,139.43) v1(431.61,136.89) v1(431.61,134.35) v1(431.61,131.81) v1(431.61,126.73) v1(431.61,124.19) v1(431.61,121.65) v1(431.61,114.03) v1(431.61,111.49) v1(431.61,103.87) v1(431.61,101.33) v1(431.61,91.17) v1(431.61,45.45) v1(431.61,42.91) v1(431.61,40.37) v1(431.61,25.13) v1(431.61,22.59) v1(431.61,20.05) v1(431.61,17.51) v1(431.61,14.97) v1(431.61,12.43) v1(431.61,9.89) v1(431.61,7.35) v1(434.15,167.37) v1(434.15,164.83) v1(434.15,162.29) v1(434.15,144.51) v1(434.15,141.97) v1(434.15,139.43) v1(434.15,136.89) v1(434.15,134.35) v1(434.15,131.81) v1(434.15,126.73) v1(434.15,124.19) v1(434.15,121.65) v1(434.15,25.13) v1(434.15,22.59) v1(434.15,20.05) v1(434.15,17.51) v1(434.15,14.97) v1(434.15,12.43) v1(434.15,9.89) v1(434.15,7.35) v1(436.69,167.37) v1(436.69,164.83) v1(436.69,162.29) v1(436.69,144.51) v1(436.69,141.97) v1(436.69,139.43) v1(436.69,136.89) v1(436.69,134.35) v1(436.69,131.81) v1(436.69,126.73) v1(436.69,124.19) v1(436.69,121.65) v1(436.69,25.13) v1(436.69,22.59) v1(436.69,20.05) v1(436.69,17.51) v1(436.69,14.97) v1(436.69,12.43) v1(436.69,9.89) v1(436.69,7.35) v1(439.23,167.37) v1(439.23,164.83) v1(439.23,162.29) v1(439.23,126.73) v1(439.23,124.19) v1(439.23,121.65) v1(439.23,25.13) v1(439.23,22.59) v1(439.23,20.05) v1(439.23,17.51) v1(439.23,14.97) v1(439.23,12.43) v1(439.23,9.89) v1(439.23,7.35) v1(441.77,167.37) v1(441.77,164.83) v1(441.77,162.29) v1(441.77,126.73) v1(441.77,101.33) v1(441.77,98.79) v1(441.77,96.25) v1(441.77,93.71) v1(441.77,91.17) v1(441.77,40.37) v1(441.77,37.83) v1(441.77,35.29) v1(441.77,32.75) v1(441.77,30.21) v1(441.77,27.67) v1(441.77,25.13) v1(441.77,22.59) v1(441.77,20.05) v1(441.77,17.51) v1(441.77,14.97) v1(441.77,12.43) v1(441.77,9.89) v1(441.77,7.35) v1(444.31,167.37) v1(444.31,164.83) v1(444.31,162.29) v1(444.31,121.65) v1(444.31,108.95) v1(444.31,106.41) v1(444.31,103.87) v1(444.31,101.33) v1(444.31,98.79) v1(444.31,96.25) v1(444.31,93.71) v1(444.31,91.17) v1(444.31,88.63) v1(444.31,86.09) v1(444.31,83.55) v1(444.31,81.01) v1(444.31,78.47) v1(444.31,75.93) v1(444.31,73.39) v1(444.31,70.85) v1(444.31,68.31) v1(444.31,65.77) v1(444.31,63.23) v1(444.31,60.69) v1(444.31,58.15) v1(444.31,55.61) v1(444.31,53.07) v1(444.31,50.53) v1(444.31,47.99) v1(444.31,45.45) v1(444.31,42.91) v1(444.31,40.37) v1(444.31,37.83) v1(444.31,35.29) v1(444.31,32.75) v1(444.31,30.21) v1(444.31,27.67) v1(444.31,25.13) v1(444.31,22.59) v1(444.31,20.05) v1(444.31,17.51) v1(444.31,14.97) v1(444.31,12.43) v1(444.31,9.89) v1(444.31,7.35) v1(446.85,167.37) v1(446.85,164.83) v1(446.85,162.29) v1(446.85,121.65) v1(446.85,111.49) v1(446.85,108.95) v1(446.85,106.41) v1(446.85,103.87) v1(446.85,101.33) v1(446.85,98.79) v1(446.85,96.25) v1(446.85,93.71) v1(446.85,91.17) v1(446.85,88.63) v1(446.85,86.09) v1(446.85,83.55) v1(446.85,81.01) v1(446.85,78.47) v1(446.85,75.93) v1(446.85,73.39) v1(446.85,70.85) v1(446.85,68.31) v1(446.85,65.77) v1(446.85,63.23) v1(446.85,60.69) v1(446.85,58.15) v1(446.85,55.61) v1(446.85,53.07) v1(446.85,50.53) v1(446.85,47.99) v1(446.85,45.45) v1(446.85,42.91) v1(446.85,40.37) v1(446.85,37.83) v1(446.85,35.29) v1(446.85,32.75) v1(446.85,30.21) v1(446.85,27.67) v1(446.85,25.13) v1(446.85,22.59) v1(446.85,20.05) v1(446.85,17.51) v1(446.85,14.97) v1(446.85,12.43) v1(446.85,9.89) v1(446.85,7.35) v1(449.39,167.37) v1(449.39,164.83) v1(449.39,162.29) v1(449.39,111.49) v1(449.39,108.95) v1(449.39,106.41) v1(449.39,103.87) v1(449.39,101.33) v1(449.39,98.79) v1(449.39,96.25) v1(449.39,93.71) v1(449.39,91.17) v1(449.39,88.63) v1(449.39,86.09) v1(449.39,83.55) v1(449.39,81.01) v1(449.39,78.47) v1(449.39,75.93) v1(449.39,73.39) v1(449.39,70.85) v1(449.39,68.31) v1(449.39,65.77) v1(449.39,63.23) v1(449.39,60.69) v1(449.39,58.15) v1(449.39,55.61) v1(449.39,53.07) v1(449.39,50.53) v1(449.39,47.99) v1(449.39,45.45) v1(449.39,42.91) v1(449.39,40.37) v1(449.39,37.83) v1(449.39,35.29) v1(449.39,32.75) v1(449.39,30.21) v1(449.39,27.67) v1(449.39,25.13) v1(449.39,22.59) v1(449.39,20.05) v1(449.39,17.51) v1(449.39,14.97) v1(449.39,12.43) v1(449.39,9.89) v1(449.39,7.35) v1(451.93,167.37) v1(451.93,164.83) v1(451.93,162.29) v1(451.93,144.51) v1(451.93,141.97) v1(451.93,139.43) v1(451.93,136.89) v1(451.93,134.35) v1(451.93,131.81) v1(451.93,116.57) v1(451.93,114.03) v1(451.93,111.49) v1(451.93,108.95) v1(451.93,106.41) v1(451.93,103.87) v1(451.93,101.33) v1(451.93,98.79) v1(451.93,96.25) v1(451.93,93.71) v1(451.93,91.17) v1(451.93,88.63) v1(451.93,86.09) v1(451.93,83.55) v1(451.93,81.01) v1(451.93,78.47) v1(451.93,75.93) v1(451.93,73.39) v1(451.93,70.85) v1(451.93,68.31) v1(451.93,65.77) v1(451.93,63.23) v1(451.93,60.69) v1(451.93,58.15) v1(451.93,55.61) v1(451.93,53.07) v1(451.93,50.53) v1(451.93,47.99) v1(451.93,45.45) v1(451.93,42.91) v1(451.93,40.37) v1(451.93,37.83) v1(451.93,35.29) 